# KiCad board project.kicad_pcb (continued)
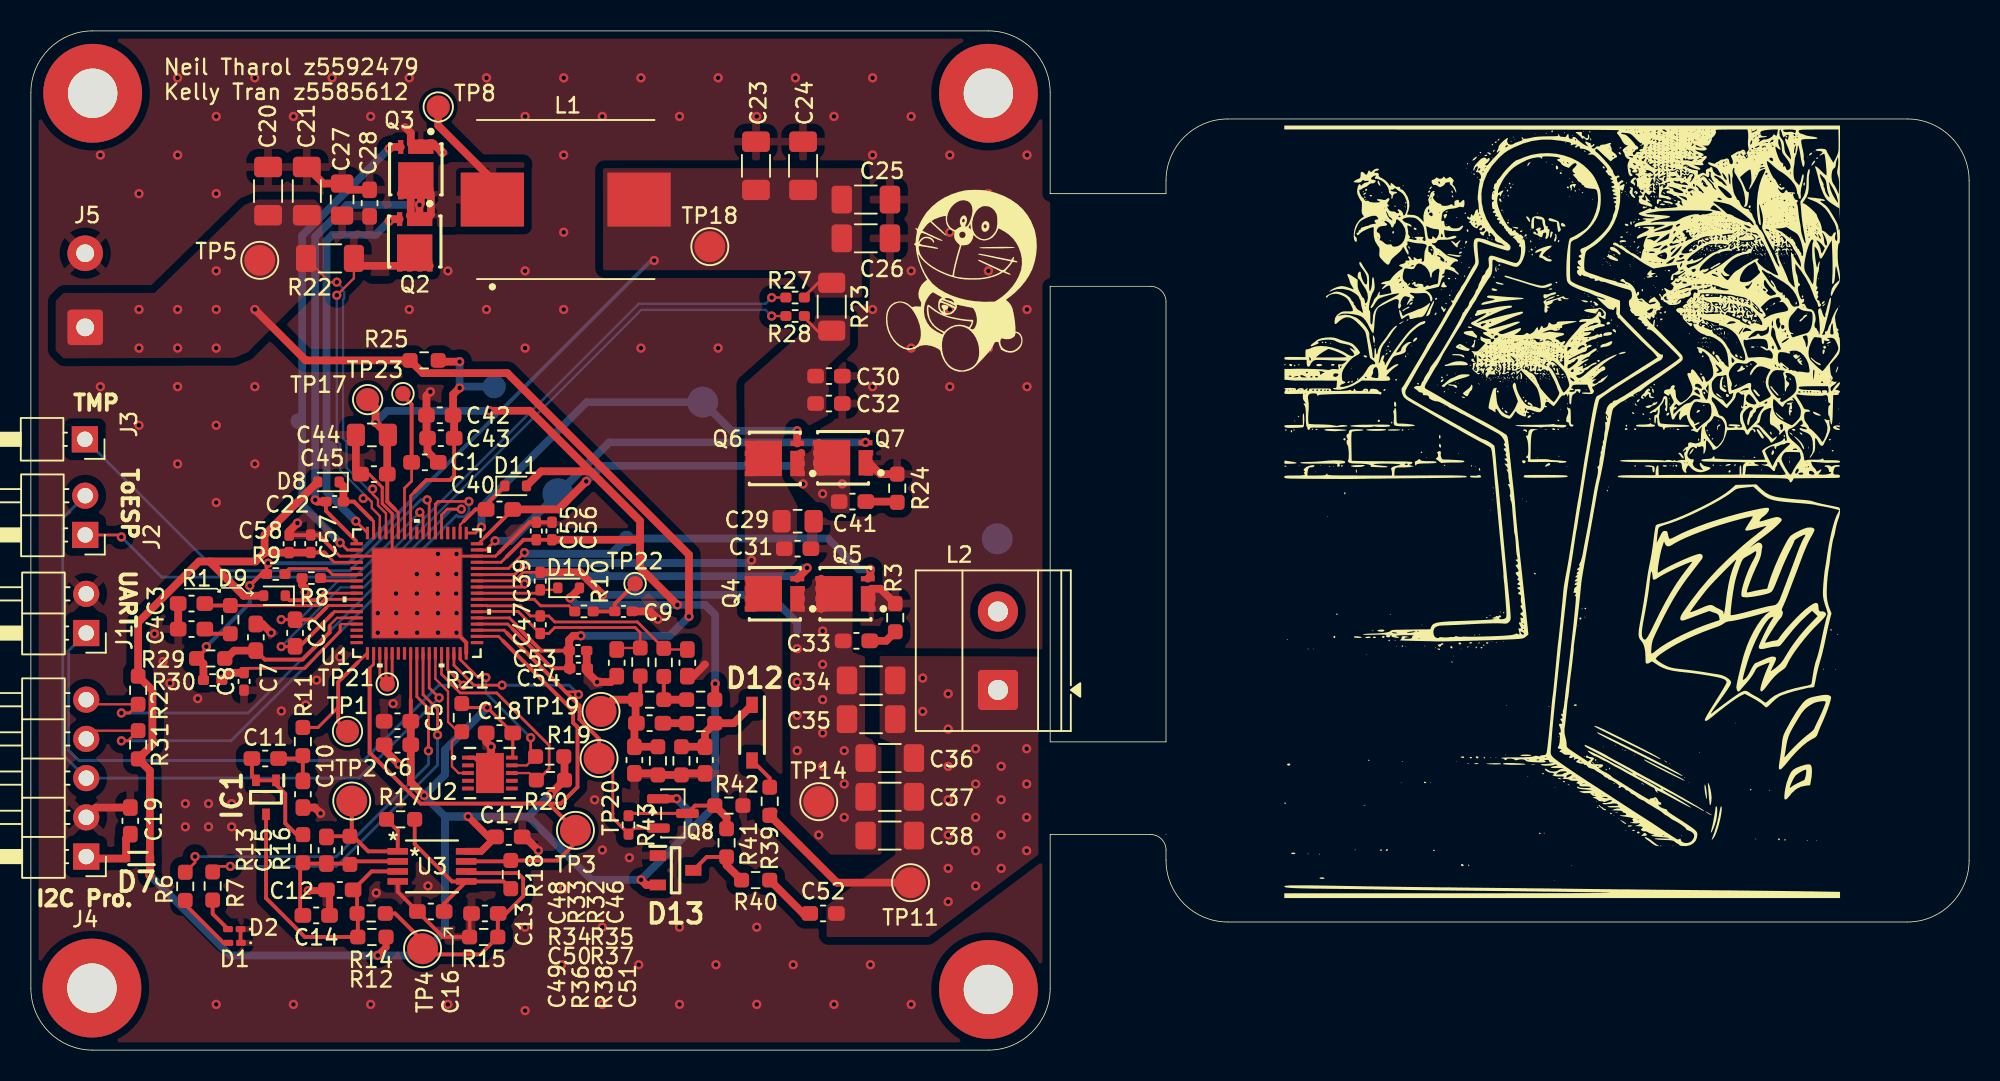
[diagram p0: board, top side]
## Footprints (pads in the part's own frame, mm; a bottom-side part is the same pattern mirrored in y, then rotated)
C_0402_1005Metric_Pad0.74x0.62mm_HandSolder
  rrect 0.735x0.62 smd: 1(-0.568,0) 2(0.568,0)
C_0603_1608Metric_Pad1.08x0.95mm_HandSolder
  rrect 1.075x0.95 smd: 1(-0.863,0) 2(0.863,0)
C_0805_2012Metric_Pad1.18x1.45mm_HandSolder
  rrect 1.175x1.45 smd: 1(-1.038,0) 2(1.038,0)
C_1206_3216Metric_Pad1.33x1.80mm_HandSolder
  rrect 1.325x1.8 smd: 1(-1.562,0) 2(1.562,0)
D_SOD-523
  rrect 0.6x0.7 smd: 1(-0.7,0) 2(0.7,0)
DGK8_TEX
  rect 1.333x0.432 smd: 1(-2.216,0.975) 2(-2.216,0.325) 3(-2.216,-0.325) 4(-2.216,-0.975) 5(2.216,-0.975) 6(2.216,-0.325) 7(2.216,0.325) 8(2.216,0.975)
IFX-PG-TSDSON-8-26-V
  rect 0.55x0.34 smd: 1(-1.625,0.975) 2(-1.625,0.325) 3(-1.625,-0.325)
  custom 0.9x1.64 smd: 1(-0.95,1.145)
  rect 0.9x0.34 smd: 4(-1.4,-0.975)
  rect 0.75x0.34 smd: 5(1.625,-0.975) 6(1.625,-0.325) 7(1.625,0.325) 8(1.625,0.975)
  custom 2.361x2.29 smd: 8(-0.41,1.145)
LED_0201_0603Metric_Pad0.64x0.40mm_HandSolder
  rrect 0.458x0.36 smd: (-0.432,0) (0.432,0)
  rrect 0.635x0.4 smd: 1(-0.407,0) 2(0.407,0)
MountingHole_3.2mm_M3_Pad
  round 6.4 hole 3.2: 1(0,0)
PG-USON-10-2
  rect 0.757x0.255 smd: 1(-1.42,1) 2(-1.42,0.5) 3(-1.42,0) 4(-1.42,-0.5) 5(-1.42,-1) 6(1.42,-1) 7(1.42,-0.5) 8(1.42,0) 9(1.42,0.5) 10(1.42,1)
  rect 1.803x2.591 smd: 11(0,0)
PG-VQFN-68
  rect 0.808x0.204 smd: 1(-3.897,3.2) 2(-3.897,2.8) 3(-3.897,2.4) 4(-3.897,2) 5(-3.897,1.6) 6(-3.897,1.2) 7(-3.897,0.8) 8(-3.897,0.4) 9(-3.897,0) 10(-3.897,-0.4) 11(-3.897,-0.8) 12(-3.897,-1.2) 13(-3.897,-1.6) 14(-3.897,-2) 15(-3.897,-2.4) 16(-3.897,-2.8) 17(-3.897,-3.2) 35(3.897,-3.2) 36(3.897,-2.8) 37(3.897,-2.4) 38(3.897,-2) 39(3.897,-1.6) 40(3.897,-1.2) 41(3.897,-0.8) 42(3.897,-0.4) 43(3.897,0) 44(3.897,0.4) 45(3.897,0.8) 46(3.897,1.2) 47(3.897,1.6) 48(3.897,2) 49(3.897,2.4) 50(3.897,2.8) 51(3.897,3.2)
  rect 0.204x0.808 smd: 18(-3.2,-3.897) 19(-2.8,-3.897) 20(-2.4,-3.897) 21(-2,-3.897) 22(-1.6,-3.897) 23(-1.2,-3.897) 24(-0.8,-3.897) 25(-0.4,-3.897) 26(0,-3.897) 27(0.4,-3.897) 28(0.8,-3.897) 29(1.2,-3.897) 30(1.6,-3.897) 31(2,-3.897) 32(2.4,-3.897) 33(2.8,-3.897) 34(3.2,-3.897) 52(3.2,3.897) 53(2.8,3.897) 54(2.4,3.897) 55(2,3.897) 56(1.6,3.897) 57(1.2,3.897) 58(0.8,3.897) 59(0.4,3.897) 60(0,3.897) 61(-0.4,3.897) 62(-0.8,3.897) 63(-1.2,3.897) 64(-1.6,3.897) 65(-2,3.897) 66(-2.4,3.897) 67(-2.8,3.897) 68(-3.2,3.897)
  rect 5.791x5.791 smd: 69(0,0)
PinHeader_1x01_P2.54mm_Horizontal
  rect 1.7x1.7 hole 1: 1(0,0)
PinHeader_1x02_P2.54mm_Horizontal
  rect 1.7x1.7 hole 1: 1(0,0)
  round 1.7 hole 1: 2(0,-2.54)
PinHeader_1x05_P2.54mm_Horizontal
  rect 1.7x1.7 hole 1: 1(0,0)
  round 1.7 hole 1: 2(0,-2.54) 3(0,-5.08) 4(0,-7.62) 5(0,-10.16)
R_0402_1005Metric_Pad0.72x0.64mm_HandSolder
  rrect 0.715x0.64 smd: 1(-0.598,0) 2(0.598,0)
R_0603_1608Metric_Pad0.98x0.95mm_HandSolder
  rrect 0.975x0.95 smd: 1(-0.912,0) 2(0.912,0)
R_1206_3216Metric_Pad1.30x1.75mm_HandSolder
  rrect 1.3x1.75 smd: 1(-1.55,0) 2(1.55,0)
SOD3716X135N
  rect 1.05x0.75 smd: 1(-1.8,0) 2(1.8,0)
SODFL1608X65N
  rect 0.55x0.42 smd: 1(-0.775,0) 2(0.775,0)
SolderWire-0.5sqmm_1x02_P4.8mm_D0.9mm_OD2.3mm
  rrect 2.3x2.3 hole 1.15: 1(0,0)
  round 2.3 hole 1.15: 2(4.8,0)
SOT65P210X100-3N
  rect 0.75x0.5 smd: 1(-1.1,0.65) 2(-1.1,-0.65) 3(1.1,0)
SOT95P240X120-3N
  rect 1.05x0.7 smd: 1(-1.15,0.95) 2(-1.15,-0.95) 3(1.15,0)
SOT-23
  rrect 1.475x0.6 smd: 1(-0.938,0.95) 2(-0.938,-0.95) 3(0.938,0)
TerminalBlock_Phoenix_MKDS-1,5-2-5.08_1x02_P5.08mm_Horizontal
  rrect 2.6x2.6 hole 1.3: 1(0,0)
  round 2.6 hole 1.3: 2(5.08,0)
TestPoint_Pad_D1.0mm
  round 1 smd: 1(0,0)
TestPoint_Pad_D1.5mm
  round 1.5 smd: 1(0,0)
TestPoint_Pad_D2.0mm
  round 2 smd: 1(0,0)
Yageo_Pulse_PA4342_10.3x11.5mm
  rect 3.5x4.1 smd: 1(0,4.75) 2(0,-4.75)

## Nets
/Vin: C42.2 C43.2 R25.2 TP16.1 U1.61
GND: C1.2 C3.1 C4.1 C5.1 C6.1 C7.1 C8.1 C9.2 C10.2 C12.2 C13.2 C14.1 C16.1 C17.2 C18.1 C19.2 C20.2 C21.2 C23.2 C24.2 C25.2 C26.2 C27.2 C28.2 C29.2 C30.2 C31.2 C32.2 C42.1 C43.1 C44.1 C45.1 C46.2 C48.2 C49.1 C51.1 C53.2 C54.2 C55.1 C56.1 C57.1 C58.1 D1.1 D2.1 D13.1 J1.2 J4.2 J5.2 Q3.1 Q3.2 Q3.3 Q5.1 Q5.2 Q5.3 Q7.1 Q7.2 Q7.3 R3.2 R8.1 R15.2 R24.2 R36.1 R38.1 R42.2 U1.3 U1.34 U1.49 U1.64 U1.69 U2.1 U2.11 U3.4
PVIN_0: C20.1 C21.1 C53.1 C54.1 J5.1 R22.1 R25.1 TP5.1 U1.38 U1.39 U1.65
VDDD: C5.2 C6.2 C17.1 C18.2 C44.2 C45.2 C55.2 C56.2 C57.2 C58.2 D7.1 D8.2 D9.2 D10.2 D11.2 D13.2 Q8.1 R2.2 R12.1 R19.1 R20.1 R21.1 R31.2 R35.2 TP17.1 U1.4 U1.25 U1.48 U1.63 U2.10 U3.8
/ASK_DEMOD: R18.2 TP3.1 U1.19 U1.36 U3.7
/ASK_I_N: C49.2 C50.2 R33.2 R34.1 R36.2 TP19.1
/ASK_I_P: R32.2 R34.2 R35.1
/ASK_N: C47.1 C48.1 R33.1 U1.40
/ASK_OUT: R11.1 TP1.1 U1.18
/ASK_P: C46.1 C47.2 R32.1 U1.41
/ASK_PEAK: C51.2 D12.1 R37.2 R38.2
/BST1_0: C22.2 D8.1 U1.67
/BST1_1: C40.1 D11.1 U1.53
/BST2_0: D9.1 U1.9
/BST2_1: C39.1 D10.1 U1.43
/COIL_SNS: C34.2 C35.2 C36.2 C37.2 C38.2 C52.2 L2.1 R39.2 TP11.1
/HG1_0: Q2.4 TP6.1 U1.68
/HG1_1: Q6.4 TP12.1 U1.52
/HG2_1: Q4.4 TP9.1 U1.44
/HPI_I2C_SCL: J4.4 R31.1 U1.57
/HPI_I2C_SDA: J4.5 R2.1 U1.56
/IIN_CSN_0: C27.1 C28.1 Q2.5 Q2.6 Q2.7 Q2.8 R22.2 U1.66
/IOUT_CSN_0: C29.1 C30.1 C31.1 C32.1 Q4.5 Q4.6 Q4.7 Q4.8 Q6.5 Q6.6 Q6.7 Q6.8 R23.2 R28.1 U1.46
/IOUT_CSP_0: C23.1 C24.1 C25.1 C26.1 L1.2 R9.2 R23.1 R27.1 R29.1 R30.1 TP18.1
/IOUT_CSP_0_N: C2.2 R28.2 U1.12
/IOUT_CSP_0_P: C2.1 R27.2 U1.11
/LG1_0: Q3.4 TP7.1 U1.2
/LG1_1: Q7.4 TP13.1 U1.50
/LG2_1: Q5.4 TP10.1 U1.47
/OPTIGA_I2C_INT: R19.2 U1.33 U2.9
/OPTIGA_I2C_SCL: R20.2 U1.30 U2.8
/OPTIGA_I2C_SDA: R21.2 U1.29 U2.3
/Q_COMP: Q8.2 R43.2 TP20.1 U1.32 U1.37
/SW1_0: C22.1 L1.1 Q2.1 Q2.2 Q2.3 Q3.5 Q3.6 Q3.7 Q3.8 TP8.1 U1.1
/SW1_1: C40.2 C41.1 L2.2 Q6.1 Q6.2 Q6.3 Q7.5 Q7.6 Q7.7 Q7.8 TP15.1 U1.51
/SW2_1: C33.1 C34.1 C35.1 C36.1 C37.1 C38.1 C39.2 Q4.1 Q4.2 Q4.3 Q5.5 Q5.6 Q5.7 Q5.8 TP14.1 U1.45
/toESP: J2.1 U1.59
/XRES: J2.2 J4.3 U1.28
Net-(C4-Pad2): C4.2 R1.1
Net-(C9-Pad1): C9.1 R10.2 TP22.1
Net-(C10-Pad1): C10.1 C11.1 R11.2
Net-(C33-Pad2): C33.2 R3.1
Net-(C41-Pad2): C41.2 R24.1
Net-(C50-Pad1): C50.1 R37.1
Net-(C52-Pad1): C52.1 R40.1
Net-(D1-A): D1.2 R6.1
Net-(D2-A): D2.2 R7.1
Net-(D7-A): C19.1 D7.2 J4.1
Net-(D12-A): D12.2 R39.1
Net-(D13-A_/_C): D13.3 R40.2 R41.1
Net-(IC1-A): C11.2 IC1.1 IC1.2 R13.1
Net-(IC1-A/K): C12.1 IC1.3 R12.2 R14.1 U3.3
Net-(J1-Pin_1): J1.1 U1.31
Net-(J3-Pin_1): J3.1 U1.58
Net-(Q8-D): Q8.3 R41.2 R42.1 R43.1
Net-(U1-ASK_TST): R10.1 U1.42
Net-(U1-COMP): C3.2 R1.2 U1.10
Net-(U1-LED1): R6.2 U1.26
Net-(U1-LED2): R7.2 U1.27
Net-(U1-PWM_IN1): TP21.1 U1.20 U1.21 U1.22
Net-(U1-SW2_0): R8.2 U1.7
Net-(U1-VBB_0): R9.1 U1.6
Net-(U1-VBRG): C7.2 R29.2 U1.13
Net-(U1-VBRG_DIS): C8.2 R30.2 U1.14
Net-(U1-VCCD): C1.1 TP23.1 U1.62
Net-(U3-+INB): C16.2 R17.2 R18.1 U3.5
Net-(U3--INA): C14.2 C15.1 R13.2 R16.1 U3.2
Net-(U3--INB): C13.1 R14.2 R15.1 TP4.1 U3.6
Net-(U3-OUTA): C15.2 R16.2 R17.1 TP2.1 U3.1

Pads without a net: H1 1; H2 1; H3 1; H4 1; U1 5 8 15 16 17 23 24 35 54 55 60; U2 2 4 5 6 7

## Via types
v1: diameter 0.6, hole 0.3, Top to Bottom, 238 vias

## Routing (per net, layer and track width the routed paths; a pad name or vN(x,y) marks a point on that pad's centre or on a via; arc(x,y) is an arc through that point)
/Vin: length 17
  Top w0.18: 24.85,36.15 24.59,35.89 U1.61
  Top w0.25: 24.85,36.15 25.61,36.92 27.14,36.92 27.41,37.19 C43.2
  Top w0.5: R25.2 26.46,44.58 v1(27.76,44.58) ; v1(27.76,42.88) 27.34,42.46 C42.2 27.41,41.04 C43.2
  Bottom w0.5: TP16.1 27.84,42.96 v1(27.76,42.88) v1(27.76,44.58)
GND: length 96.4
  Top w0.18: U1.69 23.39,31.19 U1.64 23.39,34.44 ; U1.69 27.39,31.99 U1.49 30.08,31.99 30.31,32.22 ; U1.69 22.59,31.99 U1.3 20,31.99 19.65,32.34
  Top w0.2: 23.39,34.44 23.39,34.74 22.75,35.39 22.75,36.44 21.89,37.3 21.35,37.3
  Top w0.25: D1.1 13.58,6.97 D2.1 ; C58.1 18.11,33.35 C57.1 18.63,33.36 19.65,32.34 ; U1.69 28.19,26.39 U1.34 ; C13.2 28.41,8.72 R15.2 26.68,7.33 C16.1 23.75,10.26 U3.4 ; C56.1 C55.1 32.28,34.18 30.31,32.22 ; U2.1 28.72,18.94 U2.11
  Top w0.45: v1(17.96,10.33) 19.09,10.33 C12.2 19.34,10.17 C14.1
  Top w0.5: C49.1 40.5,17.92 R36.1 R38.1 42.22,17.92 C51.1 ; Q7.2 55,37.3 R24.2 ; C18.1 29.48,19.97 v1(29.81,19.64) 29.81,18.02 U2.11 ; C21.2 18.94,56.12 C27.2 20.56,55.71 C28.2 ; C53.2 35.99,24.77 C54.2 36.03,24.47 v1(36.66,23.84) 37.55,23.84 C48.2 ; C3.1 C4.1 ; v1(15.56,27.03) 15,27.59 C7.1 ; v1(17.26,34.13) 16.72,33.59 C58.1 ; Q5.2 Q5.3 55.01,29.88 R3.2 ; v1(25.87,42.63) 25.61,42.38 C42.1 25.61,39.69 C43.1 25.68,38.75 C1.2 ; C10.2 18.38,15.71 v1(18.76,15.33) ; 22.87,19.77 22.87,19.46 v1(23.84,18.5) ; v1(26.63,58.13) 26.05,58.71 Q3.1 Q3.3 24.6,59.4 24.22,59.78 ; C44.1 21.04,37.6 21.35,37.3 ; 43.65,24.98 42.89,24.22 C46.2 ; C17.2 31.99,13.8 v1(32.86,12.93) ; C19.2 4.22,15.71 J4.2 ; v1(40.6,27.9) 40.09,28.41 C9.2 ; v1(17.76,29.65) 17.76,29.93 17.56,30.13 R8.1
  vias: v1(4.5,57.96) v1(4.5,42.96) v1(7,55.46) v1(7,40.46) v1(8,26.96) v1(8.56,25.16) v1(9,23.76) v1(9.5,62.96) v1(9.5,57.96) v1(9.5,42.96) v1(9.5,37.96) v1(10,15.96) v1(10,14.46) v1(10.8,22.76) v1(11.5,15.96) v1(11.5,14.46) v1(12,60.46) v1(12,55.46) v1(12,40.46) v1(12,35.46) v1(12,2.96) v1(13,15.96) v1(13,14.46) v1(14.5,62.96) v1(14.5,42.96) v1(14.5,37.96) v1(16.22,21.96) v1(17,60.46) v1(17,2.96) v1(17.8,22.35) v1(18.5,23.96) v1(19.5,62.96) v1(20,25.46) v1(22,60.46) v1(22,2.96) v1(22.36,10.18) v1(22.46,28.29) v1(22.46,27.03) v1(23.46,22.44) v1(23.64,29.57) v1(23.66,28.29) v1(23.66,27.03) v1(24.5,62.96) v1(24.5,47.96) v1(24.99,30.83) v1(24.99,29.57) v1(25.01,28.29) v1(25.01,27.03) v1(25.71,10.63) v1(26.34,30.83) v1(26.34,29.57) v1(26.36,32.13) v1(26.36,28.29) v1(26.36,27.03) v1(27,50.46) v1(27,2.96) v1(27.54,30.83) v1(27.54,29.57) v1(27.56,32.13) v1(27.56,28.29) v1(27.56,27.03) v1(29.5,62.96) v1(29.5,47.96) v1(32,60.46) v1(32,50.46) v1(32,45.46) v1(32,7.96) v1(32,2.56) v1(34.36,5.53) v1(34.5,62.96) v1(34.5,57.96) v1(34.5,52.96) v1(34.5,47.96) v1(34.5,10.46) v1(36.5,16.21) v1(37,60.46) v1(37,12.96) v1(37,7.96) v1(37,2.96) v1(38.75,12.46) v1(39.36,5.53) v1(39.5,62.96) v1(39.5,45.46) v1(42,60.46) v1(42,7.96) v1(42,2.96) v1(44.36,5.53) v1(44.5,62.96) v1(44.5,45.46) v1(47,60.46) v1(47,7.96) v1(47,2.96) v1(49.36,5.53) v1(49.5,62.96) v1(52,60.46) v1(52,2.96) v1(54.36,5.53) v1(54.5,62.96) v1(54.5,57.96) v1(54.5,47.96) v1(54.5,42.96) v1(57,60.46) v1(57,50.46) v1(57,45.46) v1(57,2.96) v1(59.5,57.96) v1(59.5,52.96) v1(59.5,47.96) v1(59.5,42.96) v1(62,55.46) v1(62,50.46) v1(62,45.46) v1(64.5,57.96) v1(64.5,52.96) v1(64.5,47.96) v1(64.5,42.96)
PVIN_0: length 83.6
  Top w0.15: v1(22.12,36.33) 22.12,36.01 22.47,35.66 22.47,35.27 22.99,34.75 U1.65 ; v1(19.81,49.73) 19.35,49.73 R22.1
  Top w0.18: U1.39 30.99,27.99 31.46,27.52 31.46,27.45 ; 31.2,27.26 30.88,27.59 U1.38
  Top w0.25: 31.2,27.26 33.74,24.72 C54.1 ; 31.46,27.45 33.04,25.87 C53.1
  Top w0.5: v1(42.61,28.08) 42.61,32.08 30.85,43.84 25.38,43.84 R25.1 17.8,44.66 v1(14.5,47.96) ; v1(35.61,26.83) 35.11,26.83 34.85,26.57 C53.1 34.85,24.77 C54.1 34.89,24.57
  Bottom w0.15: v1(22.12,36.33) 21.81,36.33 20.44,37.7 20.44,39.39 20.21,39.62 20.21,48.61 20.29,48.68 20.29,49.08 20.21,49.15 20.21,49.33 v1(19.81,49.73)
  Bottom w0.5: v1(35.61,26.83) 41.36,26.83 v1(42.61,28.08)
  vias: v1(7,47.96) v1(7,45.46) v1(9.5,47.96) v1(9.5,45.46) v1(12,50.46) v1(12,47.96) v1(12,45.46)
VDDD: length 217.7
  Top w0.18: 19.14,32.09 19.64,31.59 U1.4 ; U1.25 24.59,22.7 24.6,22.69 ; U1.63 23.79,34.8 23.58,35.01 ; U1.48 30.45,31.59 30.82,31.96
  Top w0.2: R21.1 28.16,22.18 v1(29.55,22.18) C18.2 31.2,19 U2.10
  Top w0.25: C56.2 C55.2 31.9,33.05 30.82,31.96 ; 19.14,32.09 19,32.23 C57.2 ; C45.2 23.07,35.52 23.58,35.01 ; 24.6,22.69 C5.2 ; 16.73,32.23 C58.2
  Top w0.45: R12.1 22.99,6.66 v1(22.46,6.13) ; v1(28.31,15.13) 29.64,13.8 C17.1 29.16,12.87 U3.8
  Top w0.5: R19.1 34.55,18.96 34.55,17.49 33.66,16.59 v1(33.66,16.58) ; 15.13,32.22 C58.2 18.11,32.22 C57.2 ; 15.13,32.22 14.55,31.64 11.56,31.64 ; 15.13,32.22 15.13,33.35 D8.2 ; v1(41.81,16.28) 40.63,16.28 Q8.1 ; v1(41.86,28.83) 39.44,31.25 39.44,33.05 ; v1(7.71,11.33) 7.71,12.4 D7.1 7.71,18.1 R31.2 7.87,19.78 7.87,23.29 R2.2 6.95,27.7 10.89,31.64 11.56,31.64 ; v1(29.69,41.4) 32.31,41.4 39.44,34.27 ; D11.2 33.04,37.48 36.23,37.48 39.44,34.27 ; 11.56,31.64 13.77,29.44 13.77,29.42 D9.2 ; v1(25.46,16.49) 24.6,17.35 C6.2 C5.2 ; 39.44,34.27 39.44,33.05 ; 39.44,33.05 C56.2 ; D13.2 39.85,10.69 v1(39.51,11.03) ; D10.2 35.52,29.89 v1(34.91,29.28) ; v1(44.31,23.73) 44.31,22.72 R35.2 ; C45.2 23.07,39.79 23.12,39.84 v1(22.31,40.64) 22.31,41.62 TP17.1
  Bottom w0.5: v1(7.71,11.33) 12.91,6.13 v1(22.46,6.13) 25.21,6.13 26.82,7.74 26.82,15.13 ; v1(41.81,16.28) 42.59,15.5 42.59,14.1 42.41,13.93 ; 42.41,13.93 44.31,15.83 v1(44.31,23.73) 44.31,28.18 43.66,28.83 v1(41.86,28.83) 35.36,28.83 v1(34.91,29.28) ; 42.41,13.93 v1(39.51,11.03) 36.31,11.03 32.21,15.13 ; 26.82,15.13 v1(28.31,15.13) ; 26.82,15.13 v1(25.46,16.49) 26.82,17.84 26.82,19.45 v1(29.55,22.18) ; 26.82,15.13 32.21,15.13 ; v1(29.69,41.4) 23.07,41.4 v1(22.31,40.64) ; 32.21,15.13 v1(33.66,16.58) 33.76,16.48
/ASK_DEMOD: length 46.6
  Top w0.18: U1.36 30.28,26.79 30.57,26.5 ; U1.19 22.19,24.99 21.93,24.72
  Top w0.25: 30.57,26.5 35.11,21.96 35.11,21.2 35.39,20.91 35.39,17.04 34.32,15.96 32.85,15.96 ; 32.85,15.96 25.23,15.96 21.93,19.26 21.93,24.72 ; 32.85,15.96 33.53,15.96 TP3.1 35.26,13.43 34.11,12.28 31.08,12.28 31.02,12.22 U3.7
/ASK_I_N: length 8.8
  Top w0.25: R34.1 39.46,22.99 R33.2
  Top w0.5: R36.2 C49.2 39.08,21.04 C50.2 39.16,21.22 R34.1 37.68,22.69 TP19.1
/ASK_I_P: length 3
  Top w0.25: R34.2 R32.2
  Top w0.5: R34.2 R35.1
/ASK_N: length 14
  Top w0.15: C48.1 38.03,26.04 R33.1
  Top w0.18: U1.40 29.49,28.39 29.51,28.41 31.55,28.41 C47.1 33.53,26.98 33.92,27.37 39.12,27.37 39.46,27.03 R33.1
/ASK_OUT: length 8.9
  Top w0.18: 21.17,25.11 21.76,25.69 U1.18
  Top w0.2: R11.1 18.59,20.89 19.9,22.2
  Top w0.25: 21.17,25.11 19.9,23.84 19.9,21.24 TP1.1
/ASK_P: length 14.8
  Top w0.15: R32.1 41.13,26.02 41.21,25.94 C46.1
  Top w0.18: R32.1 39.27,27.73 33.92,27.73 33.53,28.11 C47.2 32.35,28.11 31.7,28.77 29.51,28.77 29.49,28.79 U1.41
/ASK_PEAK: length 6.2
  Top w0.5: R38.2 C51.2 43.65,20.53 R37.2 45.51,21.17 D12.1
/BST1_0: length 4.6
  Top w0.18: U1.67 22.19,34.24 22.06,34.38
  Top w0.25: C22.2 20.92,35.52 22.06,34.38
  Top w0.5: C22.2 20.24,36.51 D8.1
/BST1_1: length 4.7
  Top w0.15: 28.03,34.25 27.79,34.01 U1.53
  Top w0.25: D11.1 29.48,35.32 C40.1 28.79,35.01 28.03,34.25
/BST2_0: length 4.9
  Top w0.18: U1.9 18.96,29.59
  Top w0.25: 16.47,29.42 16.77,29.13 18.5,29.13 18.96,29.59
/BST2_1: length 5.4
  Top w0.15: D10.1 33.99,29.8 C39.1
  Top w0.18: U1.43 32.76,29.59 C39.1
/COIL_SNS: length 11.2
  Top w0.5: 48.09,15.45 47.84,15.45 ; TP11.1 52.2,10.84 R39.2
  vias: v1(57.75,24.09) v1(57.75,21.93) v1(59.4,23.07) v1(59.4,20.79) v1(59.4,18.37) v1(59.4,16.22) v1(59.4,13.93) v1(59.4,11.77) v1(59.4,9.61) v1(61.17,19.52) v1(61.17,17.23) v1(61.17,15.07) v1(61.17,12.91) v1(61.17,10.63) v1(62.83,18.37) v1(62.83,16.22) v1(62.83,13.93) v1(62.83,11.77) v1(64.48,19.52) v1(64.48,17.23) v1(64.48,15.07) v1(64.48,12.91)
/HG1_0: length 25.3
  Top w0.18: U1.68 21.79,33.5 v1(21.04,34.25)
  Top w0.5: v1(23.2,53.68) 23.33,53.81 Q2.4
  Bottom w0.5: v1(23.2,53.68) 22.31,52.79 19.52,52.79 19.14,52.41 19.14,36.15 v1(21.04,34.25)
/HG1_1: length 27.3
  Top w0.18: v1(29.17,33.87) 28.79,33.49 U1.52
  Top w0.5: Q6.4 49.62,39.29 v1(49.62,40.1)
  Bottom w0.5: v1(29.17,33.87) 29.17,35.14 35.99,41.96 TP12.1 45.36,40.1 v1(49.62,40.1)
/HG2_1: length 22.9
  Top w0.18: U1.44 31.77,29.99 v1(31.96,30.19)
  Top w0.5: Q4.4 50.26,31.17 v1(50.26,31.23)
  Bottom w0.5: v1(50.26,31.23) 50.01,31.23 49.48,30.69 TP9.1 32.47,30.69 v1(31.96,30.19)
/HPI_I2C_SCL: length 38.5
  Top w0.15: R31.1 4.11,20.68 J4.4
  Top w0.18: v1(28.36,35.53) 26.36,35.53 26.19,35.36 U1.57 ; v1(5.86,20.03) 6.29,20.03 R31.1
  Bottom w0.18: v1(5.86,20.03) 12.96,20.03 27.57,34.64 27.67,34.54 28.07,34.54 28.36,34.83 28.36,35.23 28.26,35.33 28.36,35.43 v1(28.36,35.53)
/HPI_I2C_SDA: length 34.9
  Top w0.15: R2.1 3.88,22.39 J4.5
  Top w0.18: v1(27.87,35.03) 26.97,35.03 26.59,34.65 U1.56 ; R2.1 6.38,21.83 v1(5.86,21.83)
  Bottom w0.18: v1(27.87,35.03) 27.26,35.03 14.06,21.83 v1(5.86,21.83)
/IIN_CSN_0: length 24.7
  Top w0.15: v1(19.81,48.88) 20.92,49.98 R22.2 ; U1.66 22.59,34.59 22.07,35.11 22.07,35.5 21.84,35.73 v1(21.52,35.73)
  Top w0.5: R22.2 21.4,50.79 Q2.5 23.88,50.79 Q2.8
  Bottom w0.15: v1(19.81,48.88) 19.81,39.45 20.04,39.23 20.04,37.54 21.52,36.05 v1(21.52,35.73)
/IOUT_CSN_0: length 20.4
  Top w0.18: 50.02,47.5 50.98,46.54 51.85,46.54 ; v1(31.96,31.43) 31.32,30.79 U1.46
  Bottom w0.5: v1(46.66,31.73) 46.47,31.54 32.07,31.54 v1(31.96,31.43)
/IOUT_CSP_0: length 45.3
  Top w0.18: 50.02,48.73 50.98,49.69 R23.1
  Top w0.25: v1(14.17,30.07) 14.93,30.83 R9.2 15.26,31.43 v1(15.36,31.53) ; v1(11.36,26.13) 11.36,25.99 R29.1
  Top w0.5: R30.1 11.17,25.02 10.84,25.36 R29.1
  Bottom w0.25: v1(15.36,31.53) 20.56,31.53 40.16,51.13 v1(40.36,51.13) ; v1(11.36,26.13) 14.17,28.94 v1(14.17,30.07)
/IOUT_CSP_0_N: length 48
  Top w0.15: v1(47.97,47.53) 47.97,47.54 R28.2
  Top w0.18: 19.53,28.27 19.66,28.39 19.66,28.39 U1.12
  Top w0.2: C2.2 17.09,26.13 v1(16.21,26.13)
  Top w0.25: 17.29,25.92 17.29,25.97 C2.2 17.41,26.15 19.53,28.27
  Bottom w0.15: v1(16.21,26.13) 20.05,29.97 21.55,29.97 39.52,47.93 47.57,47.93 v1(47.97,47.53)
/IOUT_CSP_0_P: length 46.9
  Top w0.15: v1(47.97,48.73) 47.97,48.73 R27.2
  Top w0.18: U1.11 19.52,28.79 19.26,28.79 19.14,28.66
  Top w0.2: v1(16.21,27.88) 17.1,27.88 C2.1
  Top w0.25: 19.14,28.66 18.35,27.87 C2.1 17.33,27.65
  Bottom w0.15: v1(16.21,27.88) 17.39,27.88 19.88,30.36 21.39,30.36 39.35,48.33 47.57,48.33 v1(47.97,48.73)
/LG1_0: length 30.9
  Top w0.18: U1.2 20.49,32.39 v1(20.03,32.85)
  Top w0.5: Q3.4 23.31,58.48 v1(23.2,58.38)
  Bottom w0.5: v1(23.2,58.38) 17.56,52.74 17.56,35.32 v1(20.03,32.85)
/LG1_1: length 28
  Top w0.18: v1(30.06,32.98) 29.47,32.39 U1.50
  Bottom w0.5: v1(30.06,32.98) 31.08,32.98 TP13.1 37.45,39.35 v1(54.04,39.35)
/LG2_1: length 27.8
  Top w0.18: v1(31.96,32.22) 30.93,31.19 U1.47
  Top w0.5: v1(54.36,31.13) 54.36,30.69 Q5.4
  Bottom w0.5: v1(54.36,31.13) 53.61,31.13 51.61,33.13 TP10.1 37.58,32.14 32.03,32.14 v1(31.96,32.22)
/OPTIGA_I2C_INT: length 10.8
  Top w0.15: R19.2 32.11,18.44 U2.9
  Top w0.18: v1(29.46,24.13) 28.96,24.13 27.79,25.3 U1.33 ; R19.2 32.36,19.33 v1(32.36,20.23)
  Bottom w0.18: v1(32.36,20.23) 29.46,23.13 v1(29.46,24.13)
/OPTIGA_I2C_SCL: length 14.6
  Top w0.15: R20.2 32.27,17.94 U2.8
  Top w0.18: U1.30 26.59,24.34 27.8,23.13 30.16,23.13 33.56,19.73 33.56,18.23 32.82,17.49 R20.2
/OPTIGA_I2C_SDA: length 9.7
  Top w0.15: U1.29 26.19,24.04 27.01,23.22 27.01,21.25 27.64,20.62 R21.2 27.27,19.98 27.27,18.37 27.69,17.94 U2.3
/Q_COMP: length 30.9
  Top w0.18: TP20.1 37.68,17.99 37.68,15.33 ; 35.52,22.31 35.52,22.31 ; 34.63,23.2 35.29,23.2 v1(35.46,23.03) ; v1(30.51,23.63) 28.69,23.63 27.39,24.93 U1.32 ; 30.82,27.01 30.64,27.19 U1.37
  Top w0.2: Q8.2 39.06,14.38 38.7,14.01 37.68,15.03 37.68,15.33
  Top w0.25: 35.52,22.31 35.52,21.42 36.79,20.15 TP20.1 ; 30.82,27.01 35.52,22.31
  Bottom w0.18: v1(35.46,23.03) 34.86,23.63 v1(30.51,23.63)
/SW1_0: length 41.4
  Top w0.18: 21.04,32.98 21.09,32.93 U1.1
  Top w0.25: 21.04,32.98 19.1,34.92 C22.1
  Top w0.5: Q3.5 Q3.6 24.6,54.11 24.53,54.04 ; TP8.1 26.38,59.87 29.88,56.36 L1.1 ; Q2.1 25.9,54.11 Q3.8 ; Q3.7 25.25,54.82 v1(25.16,54.73) 25.16,54.05 Q2.2 ; v1(18.41,35.63) 18.52,35.52 C22.1
  Bottom w0.5: v1(18.41,35.63) 18.41,52.67 20.47,54.73 v1(25.16,54.73)
/SW1_1: length 23.5
  Top w0.18: U1.51 28.98,32.79 29.42,33.23
  Top w0.25: 29.42,33.23 C40.2
  Top w0.5: C40.2 34.14,35.01 v1(35.96,36.83) ; Q7.5 Q7.6 ; 49.89,38.68 Q6.3
  Bottom w0.5: v1(35.96,36.83) 36.96,37.83 49.56,37.83
  vias: v1(50,36.66) v1(51.27,36.03) v1(52.54,36.66)
/SW2_1: length 24.8
  Top w0.18: C39.2 31.88,30.94 31.33,30.39 U1.45
  Top w0.5: Q5.5 51.17,28.58 Q5.8 ; C39.2 35.57,30.94 37.01,29.5 v1(37.01,29.48)
  Bottom w0.5: v1(37.01,29.48) 47.81,29.48 49.62,27.67 49.62,27.14
  vias: v1(49.62,25.99) v1(49.62,23.84) v1(49.62,21.68) v1(49.62,19.39) v1(51.01,13.93) v1(51.27,27.14) v1(51.27,24.98) v1(51.27,22.69) v1(51.27,20.53) v1(51.27,18.37) v1(52.67,19.39) v1(52.67,17.23) v1(52.67,15.07)
/toESP: length 26
  Top w0.18: v1(25.18,34.83) 25.39,34.62 U1.59 ; J2.1 5.73,33.36 v1(5.86,33.23)
  Bottom w0.18: v1(25.18,34.83) 20.98,30.63 8.46,30.63 v1(5.86,33.23)
/XRES: length 47.7
  Top w0.18: U1.28 25.79,23.46 v1(26.44,22.81)
  Bottom w0.18: J2.2 2.06,34.45 2.06,19.13 J4.3 21.24,17.61 v1(26.44,22.81)
Net-(C4-Pad2): length 1.8
  Top w0.25: C4.2 11.56,26.96 R1.1
Net-(C9-Pad1): length 3.7
  Top w0.25: R10.2 C9.1 37.81,28.89 TP22.1
Net-(C10-Pad1): length 3.5
  Top w0.25: R11.2 17.43,18.88 C11.1 ; R11.2 17.61,19.06 ; R11.2 17.61,17.44 C10.1 ; R11.2 17.61,19.05 17.44,18.88
Net-(C33-Pad2): length 1.9
  Top w0.5: C33.2 55.38,26.5 R3.1
Net-(C41-Pad2): length 2.1
  Top w0.5: R24.1 56.05,35.52 C41.2
Net-(C50-Pad1): length 1.5
  Top w0.5: C50.1 R37.1
Net-(C52-Pad1): length 3.5
  Top w0.5: C52.1 50,8.85 R40.1
Net-(D1-A): length 4.1
  Top w0.25: D1.2 12.47,6.94 9.99,9.42 R6.1
Net-(D2-A): length 2.3
  Top w0.25: D2.2 11.77,8.82 R7.1
Net-(D7-A): length 4.3
  Top w0.5: J4.1 3.71,12.41 D7.2 6.16,13.7 C19.1
Net-(D12-A): length 2.2
  Top w0.25: D12.2 47.84,17.61 R39.1
Net-(D13-A_/_C): length 4.4
  Top w0.25: D13.3 43.76,12.51 R41.1
  Top w0.5: R40.2 45.05,11.98 R41.1
Net-(IC1-A): length 7.7
  Top w0.25: 17.36,14.21 R13.1 17.21,13.95 16.47,14.69 16.47,16.6 15.87,17.19 IC1.1 IC1.2 14.31,17.73 C11.2
Net-(IC1-A/K): length 19
  Top w0.25: U3.3 22.06,11.57 C12.1 21.12,10.11 R14.1 21.17,8.8 R12.2 17.74,7.33 15.22,9.84 IC1.3
Net-(J1-Pin_1): length 38.4
  Top w0.18: v1(28.01,23.62) 26.99,24.63 U1.31
  Bottom w0.18: J1.1 2.44,25.87 2.44,19.42 3.11,18.75 21.54,18.75 26.41,23.62 v1(28.01,23.62)
Net-(J3-Pin_1): length 29.8
  Top w0.18: U1.58 25.79,35.5 v1(25.66,35.63)
  Bottom w0.18: v1(25.66,35.63) 25.24,35.63 20.65,31.04 12.01,31.04 J3.1
Net-(Q8-D): length 7.7
  Top w0.2: Q8.3 38.87,15.33 38.7,15.15
  Top w0.25: R42.1 43.01,15.83 Q8.3
  Top w0.5: R41.2 45.05,15.07 R42.1
Net-(U1-ASK_TST): length 6.6
  Top w0.18: R10.1 34.85,28.77 33.01,28.77 32.6,29.19 U1.42
Net-(U1-COMP): length 10
  Top w0.18: 19.01,29.17 19.03,29.19 U1.10
  Top w0.2: R1.2 18.63,28.79 19.01,29.17
  Top w0.25: R1.2 11.39,28.79 C3.2
Net-(U1-LED1): length 26.4
  Top w0.18: v1(25.74,19.38) 25.74,22.14 24.99,22.89 U1.26 ; v1(10.63,12.53) 10.63,12.15 R6.2
  Bottom w0.18: v1(25.74,19.38) 25.74,18.5 19.77,12.53 v1(10.63,12.53)
Net-(U1-LED2): length 25
  Top w0.18: v1(26.33,20.41) 26.33,22.08 25.39,23.02 U1.27 ; v1(12.91,11.9) 12.13,11.9 R7.2
  Bottom w0.18: v1(12.91,11.9) 19.77,11.9 26.33,18.46 v1(26.33,20.41)
Net-(U1-PWM_IN1): length 6.3
  Top w0.18: U1.22 23.39,24.03 TP21.1 ; U1.20 22.59,24.19 TP21.1 ; TP21.1 22.99,23.79 U1.21
Net-(U1-SW2_0): length 2.4
  Top w0.18: R8.2 18.93,30.39 U1.7
Net-(U1-VBB_0): length 4.9
  Top w0.18: 16.47,30.95 16.7,31.18 19.14,31.18 19.53,30.79 U1.6
Net-(U1-VBRG): length 10.4
  Top w0.15: 19.34,27.44 19.34,27.51 19.82,27.99 20.11,27.99
  Top w0.18: U1.13 20.11,27.99
  Top w0.25: 19.34,27.44 19.34,27.05 17.58,25.29 15.15,25.29 C7.2
  Top w0.5: C7.2 13.17,25.87 12.66,25.36 R29.2
Net-(U1-VBRG_DIS): length 10.5
  Top w0.15: U1.14 20.1,27.59 20.03,27.52
  Top w0.18: 13.8,24.47 14.06,24.72 17.74,24.72
  Top w0.2: 20.03,27.52 20.03,27.13 17.74,24.72
  Top w0.5: R30.2 12.84,24.43 13.77,24.43 13.8,24.47
Net-(U1-VCCD): length 9.4
  Top w0.18: U1.62 24.19,36.38 24.65,36.84 C1.1
  Top w0.25: C1.1 24.65,41.82 24.09,42.38 TP23.1
Net-(U3-+INB): length 11.6
  Top w0.25: C16.2 26.76,9.49 U3.5 ; U3.5 30.61,10.92 R18.1 ; U3.5 27.27,10.92 24.85,13.34 R17.2
Net-(U3--INA): length 10.5
  Top w0.25: 17.37,11.88 R13.2 ; R13.2 17.44,11.95 17.44,8.9 C14.2 17.37,8.97 ; R13.2 17.66,12.08 C15.1 20.61,12.08 20.66,12.02 20.86,12.22 U3.2
Net-(U3--INB): length 17.8
  Top w0.25: U3.6 28.29,11.47 31.51,11.47 31.88,11.1 31.88,9.96 30.76,8.85 C13.1 30.23,8.82 R15.1 29.11,6.2 26.23,6.2 25.87,6.56 TP4.1 25.36,7.07 23.58,8.85 R14.2
Net-(U3-OUTA): length 9.7
  Top w0.25: R16.2 20.78,13.97 TP2.1 ; R16.2 19.18,13.85 C15.2 ; R16.2 20.87,13.85 21.85,12.87 U3.1 23.75,14.22 R17.1

## Copper pours and planes (outline as drawn; the poured copper is in the pictures)
GND on Top: 54.66,30.08 55.16,30.08 55.81,29.43 55.81,29.38 56.41,29.38 56.41,28.43 56.36,28.38 54.51,28.38 54.51,30.08 54.86,30.08 54.91,30.03 55.01,30.13 54.71,30.13
GND on Top, Bottom: -0.04,66 66,66 66,-0.04 -0.04,-0.04
PVIN_0 on Top, Bottom: 1.61,49.03 8.01,49.03 14.18,55.08 18.88,55.08 18.88,53.13 18.96,52.38 18.96,50.13 13.69,44.83 1.61,44.8
/COIL_SNS on Top, Bottom: 55.97,12.66 55.97,19.78 54.96,20.22 54.96,25.53 65.24,25.49 65.24,12.66 58.13,7.33 51.52,7.33 51.52,9.36
/IIN_CSN_0 on Top: 19.66,52.38 19.26,53.18 19.26,54.82 22.69,54.82 22.69,52.92 26.38,52.92 26.38,50.12 19.66,50.12
/IOUT_CSN_0 on Top: 46.19,43.14 50.76,47.2 50.76,47.58 53.05,47.58 53.05,45.68 51.68,44.38 51.68,41.14 48.63,39.46 48.63,37.17 49.64,35.23 49.64,31.74 48.63,30.7 48.63,28.41 46.22,28.41 46.22,30.69 46.22,39.45
/IOUT_CSP_0 on Top: 37.04,57.11 53.81,57.11 53.81,48.73 50.76,48.73 50.76,48.98 49.36,50.51 37.04,50.5
/SW1_0 on Top: 31.96,53.3 31.96,57.5 26.07,57.49 23.78,57.49 23.78,55.08 24.34,54.32 24.34,53.3
/SW1_1 on Top: 49.17,38.81 50.12,38.81 50.64,39.5 53.05,39.5 53.05,34.76 51.55,34.79 49.17,37.17
/SW1_1 on Bottom: 50.63,39.58 65.24,39.58 65.24,26.38 57.36,26.38 57.36,29.17 49.11,37.17 49.11,38.82 50.13,38.82
/SW2_1 on Top: 50.76,30.69 53.2,30.7 53.2,28.41 53.2,25.77 54.01,25.48 54.01,20.34 55.08,19.78 55.08,12.66 51.77,12.66 49.17,15.26 49.17,28.4 49.17,30.05 50.11,30.05
/SW2_1 on Bottom: 50.76,30.69 53.2,30.7 53.2,28.41 53.2,25.77 55.08,25.08 55.08,12.66 51.77,12.66 49.17,15.26 49.17,28.4 49.17,30.05 50.11,30.05

## Text on the board
F.Silkscreen: Neil Tharol z5592479 / Kelly Tran z5585612 | I2C Pro. | TMP | UART | ToESP
User.1: xres | GPIO PIN 24 | Power | GND
